# KiCad board After Huzaifa Antuley fixed DRC.kicad_pcb
title: Data General Nova 1200 CPU Diagnostic; date: 2019-05-19; rev: Rev 0; company: Forgotten Machines
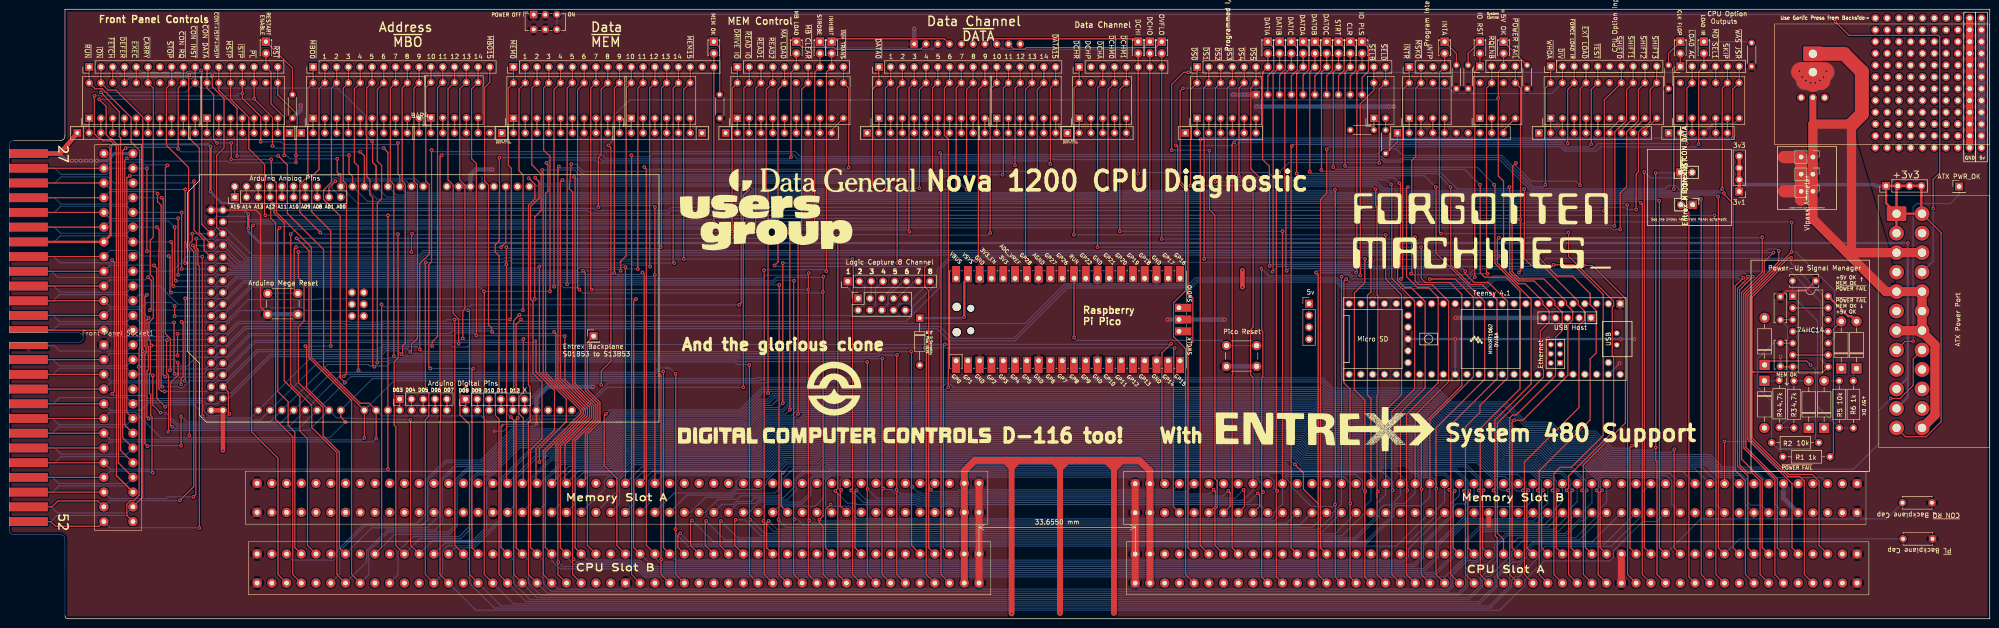
[diagram p0: board, top side]
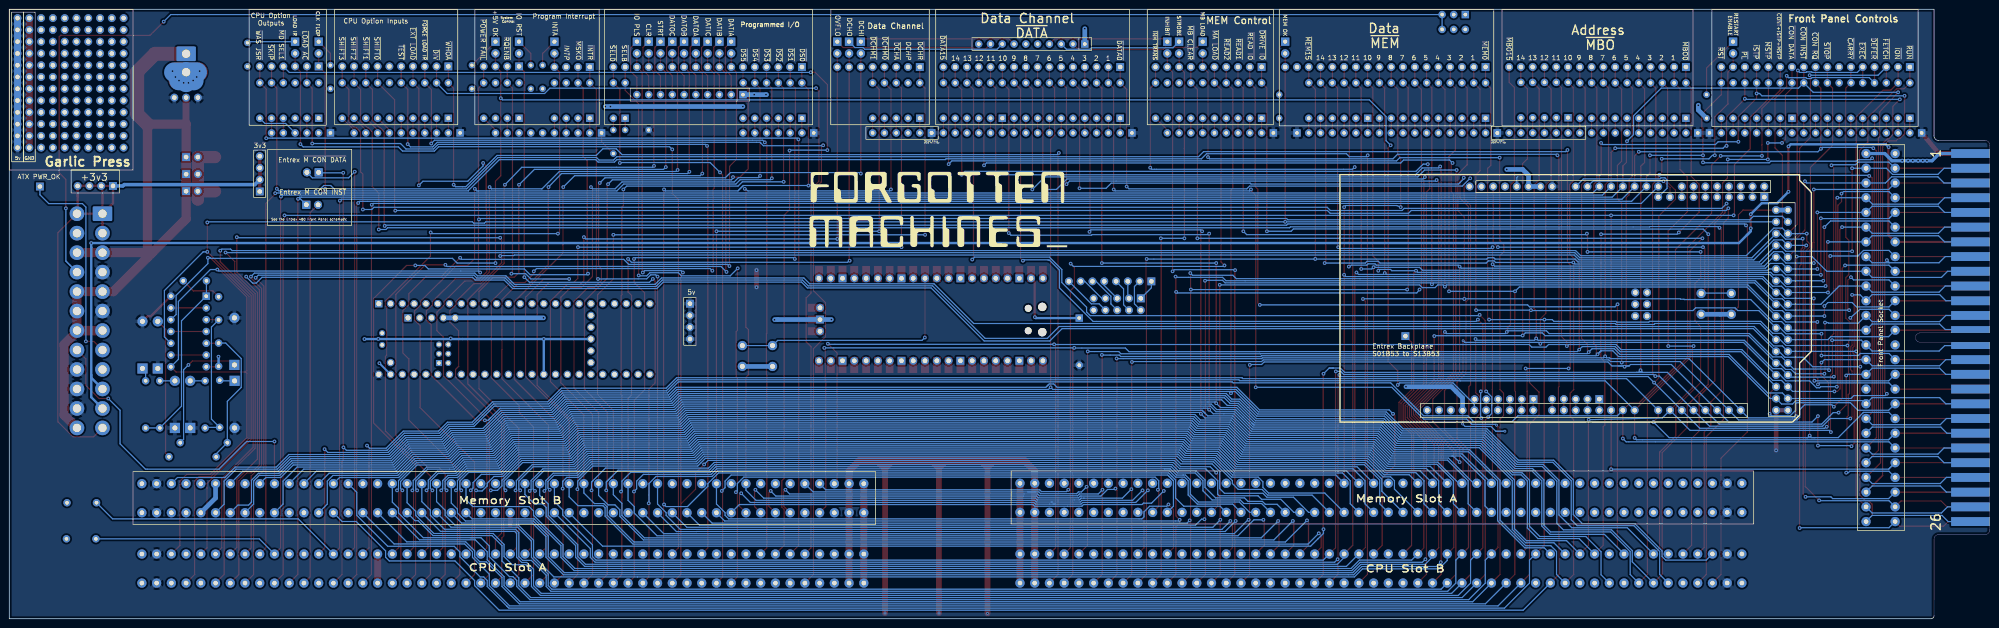
[diagram p1: board, bottom side, seen from below]

Outline 426.79 x 131.45 mm; copper layers: Top, Bottom. Coordinates in mm from the lower left corner of the outline.
Outline path: 0,102.15 0,61.65 15,61.65 arc(16,60.65) 15,59.65 0,59.65 0,19.15 arc(0.29,18.44) 1,18.15 11,18.15 arc(11.71,17.85) 12,17.15 12,0.63 arc(12.19,0.19) 12.64,0 426.79,0 426.79,131.45 12,131.45 12,104.15 arc(11.71,103.44) 11,103.15 1,103.15 arc(0.29,102.85) 0,102.15
Stack: Top 0.035mm / dielectric 1.51mm FR4 er 4.5 / Bottom 0.035mm

## Placement (name value [footprint] x y rotation side)
3v1  3v3  [PinHeader_1x04_P2.54mm_Vertical]  372.81 92.15 180 top
3v3  3v3  [PinHeader_1x04_P2.54mm_Vertical]  404.43 93.35 90 top
5vToBackBoard1  3v3  [PinHeader_1x04_P2.54mm_Vertical]  280.1 67.95 0 top
BAR1  -  [LED Bar 10]  17.21 107.95 0 top
BAR2  LED Bar 10  [LED Bar 7]  42.61 107.95 0 top
BAR3  -  [LED Bar 10]  65.47 107.95 0 top
BAR4  LED Bar 10  [LED Bar 5]  90.87 108.06 0 top
BAR5  -  [LED Bar 10]  108.65 107.95 0 top
BAR6  LED Bar 10  [LED Bar 6]  134.05 107.95 0 top
BAR7  -  [LED Bar 10]  156.91 107.95 0 top
BAR8  -  [LED Bar 10]  187.39 107.95 0 top
BAR9  LED Bar 10  [LED Bar 6]  212.79 107.95 0 top
BAR10  LED Bar 10  [LED Bar 6]  255.97 107.95 0 top
BAR11  LED Bar 10  [LED Bar 5]  230.57 107.95 0 top
BAR12  -  [LED Bar 2]  294.07 107.95 0 top
BAR13  -  [LED Bar 4]  301.69 107.95 0 top
BAR14  -  [LED Bar 4]  316.93 107.95 0 top
BAR15  -  [LED Bar 10]  332.17 107.95 0 top
BAR16  LED Bar 10  [LED Bar 6]  360.11 107.95 0 top
C1  ~{PL} Backplane Cap  [Disc Capacitor Common Entrex Trapezoid]  411.93 17.02 180 top
C2  ~{CON RQ} Backplane Cap  [Disc Capacitor Common Entrex Trapezoid]  411.8 24.8 180 top
C3  C  [C_Disc_D6.0mm_W2.5mm_P5.00mm]  381.67 59.46 270 top
C4  C  [C_Disc_D6.0mm_W2.5mm_P5.00mm]  381.67 64.44 90 top
C5  C  [C_Disc_D6.0mm_W2.5mm_P5.00mm]  384.29 72.87 0 top
D1  1N4004  [D_DO-41_SOD81_P10.16mm_Horizontal]  394.78 53.98 90 top
D2  1N4004  [D_DO-41_SOD81_P10.16mm_Horizontal]  378.27 54.74 90 top
D3  1N4004  [D_DO-41_SOD81_P10.16mm_Horizontal]  387.8 41.15 90 top
D4  1N4004  [D_DO-41_SOD81_P10.16mm_Horizontal]  378.23 51.31 270 top
D5  1N4004  [D_DO-41_SOD81_P10.16mm_Horizontal]  391.1 41.15 90 top
D6  1N4004  [D_DO-41_SOD81_P10.16mm_Horizontal]  398.08 53.98 90 top
D7  LED  [LED_D1.8mm_W3.3mm_H2.4mm]  55.31 124.46 270 top
D8  LED  [LED_D1.8mm_W3.3mm_H2.4mm]  151.83 124.46 270 top
D9  LED  [LED_D1.8mm_W3.3mm_H2.4mm]  169.61 124.46 270 top
D10  LED  [LED_D1.8mm_W3.3mm_H2.4mm]  174.69 124.46 270 top
D11  LED  [LED_D1.8mm_W3.3mm_H2.4mm]  177.23 124.46 270 top
D12  LED  [LED_D1.8mm_W3.3mm_H2.4mm]  271.21 124.46 270 top
D13  LED  [LED_D1.8mm_W3.3mm_H2.4mm]  243.27 124.46 270 top
D14  LED  [LED_D1.8mm_W3.3mm_H2.4mm]  245.81 124.46 270 top
D15  LED  [LED_D1.8mm_W3.3mm_H2.4mm]  248.35 124.46 270 top
D16  LED  [LED_D1.8mm_W3.3mm_H2.4mm]  273.75 124.46 270 top
D17  LED  [LED_D1.8mm_W3.3mm_H2.4mm]  276.29 124.46 270 top
D18  LED  [LED_D1.8mm_W3.3mm_H2.4mm]  283.91 124.46 270 top
D19  LED  [LED_D1.8mm_W3.3mm_H2.4mm]  286.45 124.46 270 top
D20  LED  [LED_D1.8mm_W3.3mm_H2.4mm]  288.99 124.46 270 top
D21  LED  [LED_D1.8mm_W3.3mm_H2.4mm]  278.83 124.46 270 top
D22  LED  [LED_D1.8mm_W3.3mm_H2.4mm]  281.37 124.46 270 top
D23  LED  [LED_D1.8mm_W3.3mm_H2.4mm]  291.53 124.46 270 top
D24  LED  [LED_D1.8mm_W3.3mm_H2.4mm]  322.01 124.46 270 top
D25  LED  [LED_D1.8mm_W3.3mm_H2.4mm]  309.31 124.46 270 top
D26  LED  [LED_D1.8mm_W3.3mm_H2.4mm]  316.93 124.46 270 top
D27  LED  [LED_D1.8mm_W3.3mm_H2.4mm]  365.19 124.46 270 top
D28  LED  [LED_D1.8mm_W3.3mm_H2.4mm]  360.11 124.46 270 top
D29  D_Schottky  [D_DO-35_SOD27_P10.16mm_Horizontal]  196.2 64.85 270 top
FPIMAGE1  MountingHole  [nova frontpanel layout]  -325.06 459.11 0 top
Front Panel Socket1  Front Panel Socket - Backside  [DG NOVA Front Pannel Connector - Backside]  23.38 61.33 0 top
J2  ~  [DG NOVA Backplane Connector - Frontside]  321.01 10.79 0 top
J3  ~  [DG NOVA Backplane Connector - Frontside]  131.78 10.8 0 top
J4  ATX Power Port  [Connector_2x12_P4.2mmx5.5mm (ATX Plug)]  406.7 87.16 90 top
J5  Front Panel Card Edge  [DG Nova Front Panel Card Edge]  2.42 60.85 0 top
J6  MBO  [PinHeader_1x16_P2.54mm_Vertical]  65.47 119 90 top
J7  MEM  [PinHeader_1x18_P2.54mm_Vertical]  108.65 119 90 top
J8  Data Channel  [PinHeader_1x16_P2.54mm_Vertical]  187.39 119 90 top
J9  Front Panel Controls  [PinHeader_1x17_P2.54mm_Vertical]  17.21 119 90 top
J10  Programmed I/O  [PinHeader_1x17_P2.54mm_Vertical]  255.97 119 90 top
J11  CPU Option Inputs  [PinHeader_1x10_P2.54mm_Vertical]  332.17 119.13 90 top
J12  Data Channel  [PinHeader_1x08_P2.54mm_Vertical]  230.57 119 90 top
J13  Program Interrupt  [PinHeader_1x04_P2.54mm_Vertical]  301.69 119 90 top
J14  System Control  [PinHeader_1x04_P2.54mm_Vertical]  316.93 119.13 90 top
J15  Slot_02x50_Odd_Even  [DG NOVA Backplane Connector - Backside]  129.97 26.12 0 top
J16  Slot_02x50_Odd_Even  [DG NOVA Backplane Connector - Backside]  319.2 26.04 0 top
J17  CPU Option Outputs  [PinHeader_1x06_P2.54mm_Vertical]  360.11 119.13 90 top
J18  MEM Control Outputs  [PinHeader_1x10_P2.54mm_Vertical]  156.91 119 90 top
J19  Logic 8 CH  [PinHeader_2x05_P2.54mm_Vertical - Backside]  182.94 69.09 90 top
J20  Logic 8 CH  [PinHeader_1x08_P2.54mm_Vertical]  180.66 72.77 90 top
J21  Arduino Anolog Pins  [PinHeader_1x10_P2.54mm_Vertical]  48.58 90.93 90 top
J22  Arduino Digital Pins  [PinHeader_1x05_P2.54mm_Vertical]  84.14 47.37 90 top
J23  Arduino Digital Pins  [PinHeader_1x06_P2.54mm_Vertical]  98.31 47.35 90 top
JP1  Vipass Ammeter  [PinHeader_1x02_P2.54mm_Vertical]  388.68 95.89 270 top
JP2  Entrex ~{M CON DATA}  [PinHeader_1x02_P2.54mm_Vertical]  360.11 96.27 90 top
JP2#2  Entrex ~{M CON DATA}  [PinHeader_1x02_P2.54mm_Vertical]  360.11 96.27 90 top
JP3  Entrex ~{M CON INST}  [PinHeader_1x02_P2.54mm_Vertical]  362.78 89.28 270 top
JP3#2  Entrex ~{M CON INST}  [PinHeader_1x02_P2.54mm_Vertical]  362.78 89.28 270 top
JP4  Vipass Ammeter  [PinHeader_1x02_P2.54mm_Vertical]  388.69 92.2 270 top
JP5  Vipass Ammeter  [PinHeader_1x02_P2.54mm_Vertical]  388.69 99.57 270 top
MES1  XK-001  [XK-001_Volt-Amp_Meter - Backside]  403.93 115.57 0 top
R1  1k  [R_Axial_DIN0207_L6.3mm_D2.5mm_P10.16mm_Horizontal]  392.37 34.93 180 top
R2  10k  [R_Axial_DIN0207_L6.3mm_D2.5mm_P10.16mm_Horizontal]  379.8 37.97 0 top
R3  4.7k  [R_Axial_DIN0207_L6.3mm_D2.5mm_P10.16mm_Horizontal]  384.58 51.31 270 top
R4  4.7k  [R_Axial_DIN0207_L6.3mm_D2.5mm_P10.16mm_Horizontal]  381.45 41.28 90 top
R5  10k  [R_Axial_DIN0207_L6.3mm_D2.5mm_P10.16mm_Horizontal]  394.36 51.31 270 top
R6  1k  [R_Axial_DIN0207_L6.3mm_D2.5mm_P10.16mm_Horizontal]  397.41 41.15 90 top
R7  R_US  [R_Axial_DIN0204_L3.6mm_D1.6mm_P5.08mm_Horizontal]  61.02 107.95 90 top
R8  R_US  [R_Axial_DIN0204_L3.6mm_D1.6mm_P5.08mm_Horizontal]  153.1 107.95 90 top
R9  R_US  [R_Axial_DIN0204_L3.6mm_D1.6mm_P5.08mm_Horizontal]  296.61 100.33 90 top
R10  R_US  [R_Axial_DIN0204_L3.6mm_D1.6mm_P5.08mm_Horizontal]  288.99 105.41 0 top
R11  R_US  [R_Axial_DIN0204_L3.6mm_D1.6mm_P5.08mm_Horizontal]  311.85 114.3 90 top
R12  R_US  [R_Axial_DIN0204_L3.6mm_D1.6mm_P5.08mm_Horizontal]  314.39 114.3 90 top
R13  R_US  [R_Axial_DIN0204_L3.6mm_D1.6mm_P5.08mm_Horizontal]  375.48 119.13 90 top
R14  R_US  [R_Axial_DIN0204_L3.6mm_D1.6mm_P5.08mm_Horizontal]  327.09 114.3 90 top
R15  R_US  [R_Axial_DIN0204_L3.6mm_D1.6mm_P5.08mm_Horizontal]  357.57 114.3 90 top
REF**  -  [Single Thru-Hole]  402.15 129.54 0 top
REF**1  -  [Single Thru-Hole]  404.69 129.54 0 top
REF**2  -  [Single Thru-Hole]  407.23 129.54 0 top
REF**3  -  [Single Thru-Hole]  409.77 129.54 0 top
REF**4  -  [Single Thru-Hole]  412.31 129.54 0 top
REF**5  -  [Single Thru-Hole]  414.85 129.54 0 top
REF**6  -  [Single Thru-Hole]  417.39 129.54 0 top
REF**7  -  [Single Thru-Hole]  419.93 129.54 0 top
REF**8  -  [Single Thru-Hole]  422.47 129.54 0 top
REF**9  -  [Single Thru-Hole]  425.01 129.54 0 top
REF**10  -  [Single Thru-Hole]  402.15 127 0 top
REF**11  -  [Single Thru-Hole]  404.69 127 0 top
REF**12  -  [Single Thru-Hole]  407.23 127 0 top
REF**13  -  [Single Thru-Hole]  409.77 127 0 top
REF**14  -  [Single Thru-Hole]  412.31 127 0 top
REF**15  -  [Single Thru-Hole]  414.85 127 0 top
REF**16  -  [Single Thru-Hole]  417.39 127 0 top
REF**17  -  [Single Thru-Hole]  419.93 127 0 top
REF**18  -  [Single Thru-Hole]  422.47 127 0 top
REF**19  -  [Single Thru-Hole]  425.01 127 0 top
REF**20  -  [Single Thru-Hole]  402.15 124.46 0 top
REF**21  -  [Single Thru-Hole]  404.69 124.46 0 top
REF**22  -  [Single Thru-Hole]  407.23 124.46 0 top
REF**23  -  [Single Thru-Hole]  409.77 124.46 0 top
REF**24  -  [Single Thru-Hole]  412.31 124.46 0 top
REF**25  -  [Single Thru-Hole]  414.85 124.46 0 top
REF**26  -  [Single Thru-Hole]  417.39 124.46 0 top
REF**27  -  [Single Thru-Hole]  419.93 124.46 0 top
REF**28  -  [Single Thru-Hole]  422.47 124.46 0 top
REF**29  -  [Single Thru-Hole]  425.01 124.46 0 top
REF**30  -  [Single Thru-Hole]  402.15 121.92 0 top
REF**31  -  [Single Thru-Hole]  404.69 121.92 0 top
REF**32  -  [Single Thru-Hole]  407.23 121.92 0 top
REF**33  -  [Single Thru-Hole]  409.77 121.92 0 top
REF**34  -  [Single Thru-Hole]  412.31 121.92 0 top
REF**35  -  [Single Thru-Hole]  414.85 121.92 0 top
REF**36  -  [Single Thru-Hole]  417.39 121.92 0 top
REF**37  -  [Single Thru-Hole]  419.93 121.92 0 top
REF**38  -  [Single Thru-Hole]  422.47 121.92 0 top
REF**39  -  [Single Thru-Hole]  425.01 121.92 0 top
REF**40  -  [Single Thru-Hole]  402.15 119.38 0 top
REF**41  -  [Single Thru-Hole]  404.69 119.38 0 top
REF**42  -  [Single Thru-Hole]  407.23 119.38 0 top
REF**43  -  [Single Thru-Hole]  409.77 119.38 0 top
REF**44  -  [Single Thru-Hole]  412.31 119.38 0 top
REF**45  -  [Single Thru-Hole]  414.85 119.38 0 top
REF**46  -  [Single Thru-Hole]  417.39 119.38 0 top
REF**47  -  [Single Thru-Hole]  419.93 119.38 0 top
REF**48  -  [Single Thru-Hole]  422.47 119.38 0 top
REF**49  -  [Single Thru-Hole]  425.01 119.38 0 top
REF**50  -  [Single Thru-Hole]  402.15 116.84 0 top
REF**51  -  [Single Thru-Hole]  404.69 116.84 0 top
REF**52  -  [Single Thru-Hole]  407.23 116.84 0 top
REF**53  -  [Single Thru-Hole]  409.77 116.84 0 top
REF**54  -  [Single Thru-Hole]  412.31 116.84 0 top
REF**55  -  [Single Thru-Hole]  414.85 116.84 0 top
REF**56  -  [Single Thru-Hole]  417.39 116.84 0 top
REF**57  -  [Single Thru-Hole]  419.93 116.84 0 top
REF**58  -  [Single Thru-Hole]  422.47 116.84 0 top
REF**59  -  [Single Thru-Hole]  425.01 116.84 0 top
REF**60  -  [Single Thru-Hole]  402.15 114.3 0 top
REF**61  -  [Single Thru-Hole]  404.69 114.3 0 top
REF**62  -  [Single Thru-Hole]  407.23 114.3 0 top
REF**63  -  [Single Thru-Hole]  409.77 114.3 0 top
REF**64  -  [Single Thru-Hole]  412.31 114.3 0 top
REF**65  -  [Single Thru-Hole]  414.85 114.3 0 top
REF**66  -  [Single Thru-Hole]  417.39 114.3 0 top
REF**67  -  [Single Thru-Hole]  419.93 114.3 0 top
REF**68  -  [Single Thru-Hole]  422.47 114.3 0 top
REF**69  -  [Single Thru-Hole]  425.01 114.3 0 top
REF**70  -  [Single Thru-Hole]  402.15 111.76 0 top
REF**71  -  [Single Thru-Hole]  404.69 111.76 0 top
REF**72  -  [Single Thru-Hole]  407.23 111.76 0 top
REF**73  -  [Single Thru-Hole]  409.77 111.76 0 top
REF**74  -  [Single Thru-Hole]  412.31 111.76 0 top
REF**75  -  [Single Thru-Hole]  414.85 111.76 0 top
REF**76  -  [Single Thru-Hole]  417.39 111.76 0 top
REF**77  -  [Single Thru-Hole]  419.93 111.76 0 top
REF**78  -  [Single Thru-Hole]  422.47 111.76 0 top
REF**79  -  [Single Thru-Hole]  425.01 111.76 0 top
REF**80  -  [Single Thru-Hole]  402.15 109.22 0 top
REF**81  -  [Single Thru-Hole]  404.69 109.22 0 top
REF**82  -  [Single Thru-Hole]  407.23 109.22 0 top
REF**83  -  [Single Thru-Hole]  409.77 109.22 0 top
REF**84  -  [Single Thru-Hole]  412.31 109.22 0 top
REF**85  -  [Single Thru-Hole]  414.85 109.22 0 top
REF**86  -  [Single Thru-Hole]  417.39 109.22 0 top
REF**87  -  [Single Thru-Hole]  419.93 109.22 0 top
REF**88  -  [Single Thru-Hole]  422.47 109.22 0 top
REF**89  -  [Single Thru-Hole]  425.01 109.22 0 top
REF**90  -  [Single Thru-Hole]  402.15 106.68 0 top
REF**91  -  [Single Thru-Hole]  404.69 106.68 0 top
REF**92  -  [Single Thru-Hole]  407.23 106.68 0 top
REF**93  -  [Single Thru-Hole]  409.77 106.68 0 top
REF**94  -  [Single Thru-Hole]  412.31 106.68 0 top
REF**95  -  [Single Thru-Hole]  414.85 106.68 0 top
REF**96  -  [Single Thru-Hole]  417.39 106.68 0 top
REF**97  -  [Single Thru-Hole]  419.93 106.68 0 top
REF**98  -  [Single Thru-Hole]  422.47 106.68 0 top
REF**99  -  [Single Thru-Hole]  425.01 106.68 0 top
REF**100  -  [Single Thru-Hole]  402.15 104.14 0 top
REF**101  -  [Single Thru-Hole]  404.69 104.14 0 top
REF**102  -  [Single Thru-Hole]  407.23 104.14 0 top
REF**103  -  [Single Thru-Hole]  409.77 104.14 0 top
REF**104  -  [Single Thru-Hole]  412.31 104.14 0 top
REF**105  -  [Single Thru-Hole]  414.85 104.14 0 top
REF**106  -  [Single Thru-Hole]  417.39 104.14 0 top
REF**107  -  [Single Thru-Hole]  419.93 104.14 0 top
REF**108  -  [Single Thru-Hole]  422.47 104.14 0 top
REF**109  -  [Single Thru-Hole]  425.01 104.14 0 top
REF**110  -  [Single Thru-Hole]  402.15 101.6 0 top
REF**111  -  [Single Thru-Hole]  404.69 101.6 0 top
REF**112  -  [Single Thru-Hole]  407.23 101.6 0 top
REF**113  -  [Single Thru-Hole]  409.77 101.6 0 top
REF**114  -  [Single Thru-Hole]  412.31 101.6 0 top
REF**115  -  [Single Thru-Hole]  414.85 101.6 0 top
REF**116  -  [Single Thru-Hole]  417.39 101.6 0 top
REF**117  -  [Single Thru-Hole]  419.93 101.6 0 top
REF**118  -  [Single Thru-Hole]  422.47 101.6 0 top
REF**119  -  [Single Thru-Hole]  425.01 101.6 0 top
RN1  R_Network09_US  [R_Array_SIP10]  14.67 104.78 0 top
RN2  R_Network08_US  [R_Array_SIP9]  60.39 104.78 180 top
RN3  R_Network09_US  [R_Array_SIP10]  62.93 104.78 0 top
RN4  R_Network07_US  [R_Array_SIP8]  106.11 104.78 180 top
RN5  R_Network09_US  [R_Array_SIP10]  106.11 104.78 0 top
RN6  R_Network07_US  [R_Array_SIP8]  149.29 104.78 180 top
RN7  R_Network09_US  [R_Array_SIP10]  154.37 104.78 0 top
RN8  R_Network09_US  [R_Array_SIP10]  184.85 104.78 0 top
RN9  R_Network07_US  [R_Array_SIP8]  228.03 104.78 180 top
RN10  R_Network05_US  [R_Array_SIP6]  228.03 104.78 0 top
RN11  R_Network09_US  [R_Array_SIP10]  195.01 123.95 0 bottom
RN12  R_Network06_US  [R_Array_SIP7]  253.43 104.78 0 top
RN13  R_Network09_US  [R_Array_SIP10]  299.15 104.78 0 top
RN14  R_Network09_US  [R_Array_SIP10]  268.67 113.03 0 bottom
RN15  R_Network09_US  [R_Array_SIP10]  329.63 104.78 0 top
RN16  R_Network05_US  [R_Array_SIP6]  357.57 104.78 0 top
SW1  Arduino Mega Reset  [SW_PUSH_6mm]  62.19 65.67 180 top
SW2  Power Swtich  [SW_E-Switch_EG1271_SPDT]  113.01 130.3 0 top
SW3  Pico Reset  [SW_PUSH_6mm]  268.81 54.42 180 top
Teensy 4.1  Teensy4.1  [Teensy41]  317.95 60.33 180 top
TP1  Entrex Backplane S01B53 to S13B53  [PinHeader_1x01_P2.54mm_Vertical]  125.92 60.96 0 top
TP2  ATX PWR_OK  [PinHeader_1x01_P2.54mm_Vertical]  420.18 93.22 0 top
U1  74HC14  [DIP-14_W7.62mm]  384.34 69.57 0 top
U2  Pico  [RPi_Pico_SMD_TH]  228.17 64.53 90 top
XA1  -  [Arduino_Mega2560_Shield]  140.02 95.76 180 top

## Library data of the parts
3v1 3v3 5vToBackBoard1 J13 J14 = -: Description: Generic connector, single row, 01x04, script generated (kicad-library-utils/schlib/autogen/connector/)
C1 C2 = -: Description: Capacitor Common Entrex Trapezoid
C3-C5 = -: Description: Unpolarized capacitor
D1-D6 = -: Description: 400V 1A General Purpose Rectifier Diode, DO-41
D7-D28 = -: Description: Light emitting diode
D29 = -: Description: Schottky diode
J2 J3 = -: Description: Generic connector, double row, 02x40, odd/even pin numbering scheme (row 1 odd numbers, row 2 even numbers), script generated (kicad-library-utils/schlib/autogen/connector/)
J4 = -: Description: ATX Power supply 24pins
J6 J8 = -: Description: Generic connector, single row, 01x16, script generated (kicad-library-utils/schlib/autogen/connector/)
J7 = -: Description: Generic connector, single row, 01x18, script generated (kicad-library-utils/schlib/autogen/connector/)
J9 J10 = -: Description: Generic connector, single row, 01x17, script generated (kicad-library-utils/schlib/autogen/connector/)
J11 J18 J21 = -: Description: Generic connector, single row, 01x10, script generated (kicad-library-utils/schlib/autogen/connector/)
J12 J20 = -: Description: Generic connector, single row, 01x08, script generated (kicad-library-utils/schlib/autogen/connector/)
J17 J23 = -: Description: Generic connector, single row, 01x06, script generated (kicad-library-utils/schlib/autogen/connector/)
J19 = -: Description: Generic connector, double row, 02x05, odd/even pin numbering scheme (row 1 odd numbers, row 2 even numbers), script generated (kicad-library-utils/schlib/autogen/connector/)
J22 = -: Description: Generic connector, single row, 01x05, script generated (kicad-library-utils/schlib/autogen/connector/)
JP1 JP2 JP2#2 JP3 JP3#2 JP4 JP5 = -: Description: Jumper, 2-pole, open
MES1 = -: Description: DC volt & amp meter
R1-R6 = -: Description: Resistor
R7-R15 = -: Description: Resistor, US symbol
RN1 RN3 RN5 RN7 RN8 RN11 RN13-RN15 = -: Description: 9 resistor network, star topology, bussed resistors, small US symbol
RN2 = -: Description: 8 resistor network, star topology, bussed resistors, small US symbol
RN4 RN6 RN9 = -: Description: 7 resistor network, star topology, bussed resistors, small US symbol
RN10 RN16 = -: Description: 5 resistor network, star topology, bussed resistors, small US symbol
RN12 = -: Description: 6 resistor network, star topology, bussed resistors, small US symbol
SW1 SW3 = -: Description: Push button switch, generic, two pins
SW2 = -: Description: Momentary Switch, dual pole double throw
TP1 TP2 = -: Description: test point
U1 = -: Description: Hex inverter schmitt trigger
XA1 = -: Description: Shield for Arduino Mega 2560

## Footprints (pads in the part's own frame, mm; a bottom-side part is the same pattern mirrored in y, then rotated)
Arduino_Mega2560_Shield
  oval 1.727x1.727 hole 1.016: (27.94,2.54) 3V3(35.56,2.54) 5V1(38.1,2.54) 5V2(66.167,30.48) 5V3(93.98,50.8) 5V4(96.52,50.8) A0(50.8,2.54) A1(53.34,2.54) A2(55.88,2.54) A3(58.42,2.54) A4(60.96,2.54) A5(63.5,2.54) A6(66.04,2.54) A7(68.58,2.54) A8(73.66,2.54) A9(76.2,2.54) A10(78.74,2.54) A11(81.28,2.54) A12(83.82,2.54) A13(86.36,2.54) A14(88.9,2.54) A15(91.44,2.54) AREF(23.876,50.8) D0(63.5,50.8) D1(60.96,50.8) D2(58.42,50.8) D3(55.88,50.8) D4(53.34,50.8) D5(50.8,50.8) D6(48.26,50.8) D7(45.72,50.8) D8(41.656,50.8) D9(39.116,50.8) D10(36.576,50.8) D11(34.036,50.8) D12(31.496,50.8) D13(28.956,50.8) D14(68.58,50.8) D15(71.12,50.8) D16(73.66,50.8) D17(76.2,50.8) D18(78.74,50.8) D19(81.28,50.8) D20(83.82,50.8) D21(86.36,50.8) D22(93.98,48.26) D23(96.52,48.26) D24(93.98,45.72) D25(96.52,45.72) D26(93.98,43.18) D27(96.52,43.18) D28(93.98,40.64) D29(96.52,40.64) D30(93.98,38.1) D31(96.52,38.1) D32(93.98,35.56) D33(96.52,35.56) D34(93.98,33.02) D35(96.52,33.02) D36(93.98,30.48) D37(96.52,30.48) D38(93.98,27.94) D39(96.52,27.94) D40(93.98,25.4) D41(96.52,25.4) D42(93.98,22.86) D43(96.52,22.86) D44(93.98,20.32) D45(96.52,20.32) D46(93.98,17.78) D47(96.52,17.78) D48(93.98,15.24) D49(96.52,15.24) D50(93.98,12.7) D51(96.52,12.7) D52(93.98,10.16) D53(96.52,10.16) GND1(26.416,50.8) GND2(40.64,2.54) GND3(43.18,2.54) GND4(66.167,25.4) GND5(93.98,7.62) GND6(96.52,7.62) IORF(30.48,2.54) MISO(63.627,30.48) MOSI(66.167,27.94) RST1(33.02,2.54) RST2(63.627,25.4) SCK(63.627,27.94) SCL(18.796,50.8) SDA(21.336,50.8) VIN(45.72,2.54)
C_Disc_D6.0mm_W2.5mm_P5.00mm
  round 1.6 hole 0.8: 1(0,0) 2(5,0)
Connector_2x12_P4.2mmx5.5mm (ATX Plug)
  rrect 3.16x4.2 hole 1.8: 1(0.2,0)
  round 3.16 hole 1.8: 2(-4,0) 3(-8.2,0) 4(-12.4,0) 5(-16.6,0) 6(-20.8,0) 7(-25,0) 8(-29.2,0) 9(-33.4,0) 10(-37.6,0) 11(-41.8,0) 12(-46,0) 13(0.2,-5.5) 14(-4,-5.5) 15(-8.2,-5.5) 16(-12.4,-5.5) 17(-16.6,-5.5) 18(-20.8,-5.5) 19(-25,-5.5) 20(-29.2,-5.5) 21(-33.4,-5.5) 22(-37.6,-5.5) 23(-41.8,-5.5) 24(-46,-5.5)
D_DO-35_SOD27_P10.16mm_Horizontal
  rect 1.6x1.6 hole 0.8: 1(0,0)
  oval 1.6x1.6 hole 0.8: 2(10.16,0)
D_DO-41_SOD81_P10.16mm_Horizontal
  rect 2.2x2.2 hole 1.1: 1(0,0)
  oval 2.2x2.2 hole 1.1: 2(10.16,0)
DG NOVA Backplane Connector - Backside
  round 2 hole 1: 1(-76.565,3.095) 2(-76.565,-3.175) 3(-73.39,3.095) 4(-73.39,-3.175) 5(-70.215,3.095) 6(-70.215,-3.175) 7(-67.04,3.095) 8(-67.04,-3.175) 9(-63.865,3.095) 10(-63.865,-3.175) 11(-60.69,3.095) 12(-60.69,-3.175) 13(-57.515,3.095) 14(-57.515,-3.175) 15(-54.34,3.095) 16(-54.34,-3.175) 17(-51.165,3.095) 18(-51.165,-3.175) 19(-47.99,3.095) 20(-47.99,-3.175) 21(-44.815,3.095) 22(-44.815,-3.175) 23(-41.64,3.095) 24(-41.64,-3.175) 25(-38.465,3.095) 26(-38.465,-3.175) 27(-35.29,3.095) 28(-35.29,-3.175) 29(-32.115,3.095) 30(-32.115,-3.175) 31(-28.94,3.095) 32(-28.94,-3.175) 33(-25.765,3.095) 34(-25.765,-3.175) 35(-22.59,3.095) 36(-22.59,-3.175) 37(-19.415,3.095) 38(-19.415,-3.175) 39(-16.24,3.095) 40(-16.24,-3.175) 41(-13.065,3.095) 42(-13.065,-3.175) 43(-9.89,3.095) 44(-9.89,-3.175) 45(-6.715,3.095) 46(-6.715,-3.175) 47(-3.54,3.095) 48(-3.54,-3.175) 49(-0.365,3.095) 50(-0.365,-3.175) 51(2.81,3.095) 52(2.81,-3.175) 53(5.985,3.095) 54(5.985,-3.175) 55(9.16,3.095) 56(9.16,-3.175) 57(12.335,3.095) 58(12.335,-3.175) 59(15.51,3.095) 60(15.51,-3.175) 61(18.685,3.095) 62(18.685,-3.175) 63(21.86,3.095) 64(21.86,-3.175) 65(25.035,3.095) 66(25.035,-3.175) 67(28.21,3.095) 68(28.21,-3.175) 69(31.385,3.095) 70(31.385,-3.175) 71(34.56,3.095) 72(34.56,-3.175) 73(37.735,3.095) 74(37.735,-3.175) 75(40.91,3.095) 76(40.91,-3.175) 77(44.085,3.095) 78(44.085,-3.175) 79(47.26,3.095) 80(47.26,-3.175) 81(50.435,3.095) 82(50.435,-3.175) 83(53.61,3.095) 84(53.61,-3.175) 85(56.785,3.095) 86(56.785,-3.175) 87(59.96,3.095) 88(59.96,-3.175) 89(63.135,3.095) 90(63.135,-3.175) 91(66.31,3.095) 92(66.31,-3.175) 93(69.485,3.095) 94(69.485,-3.175) 95(72.66,3.095) 96(72.66,-3.175) 97(75.835,3.095) 98(75.835,-3.175) 99(79.01,3.095) 100(79.01,-3.175)
DG NOVA Backplane Connector - Frontside
  round 2 hole 1: 1(77.2,3.175) 2(77.2,-3.095) 3(74.025,3.175) 4(74.025,-3.095) 5(70.85,3.175) 6(70.85,-3.095) 7(67.675,3.175) 8(67.675,-3.095) 9(64.5,3.175) 10(64.5,-3.095) 11(61.325,3.175) 12(61.325,-3.095) 13(58.15,3.175) 14(58.15,-3.095) 15(54.975,3.175) 16(54.975,-3.095) 17(51.8,3.175) 18(51.8,-3.095) 19(48.625,3.175) 20(48.625,-3.095) 21(45.45,3.175) 22(45.45,-3.095) 23(42.275,3.175) 24(42.275,-3.095) 25(39.1,3.175) 26(39.1,-3.095) 27(35.925,3.175) 28(35.925,-3.095) 29(32.75,3.175) 30(32.75,-3.095) 31(29.575,3.175) 32(29.575,-3.095) 33(26.4,3.175) 34(26.4,-3.095) 35(23.225,3.175) 36(23.225,-3.095) 37(20.05,3.175) 38(20.05,-3.095) 39(16.875,3.175) 40(16.875,-3.095) 41(13.7,3.175) 42(13.7,-3.095) 43(10.525,3.175) 44(10.525,-3.095) 45(7.35,3.175) 46(7.35,-3.095) 47(4.175,3.175) 48(4.175,-3.095) 49(1,3.175) 50(1,-3.095) 51(-2.175,3.175) 52(-2.175,-3.095) 53(-5.35,3.175) 54(-5.35,-3.095) 55(-8.525,3.175) 56(-8.525,-3.095) 57(-11.7,3.175) 58(-11.7,-3.095) 59(-14.875,3.175) 60(-14.875,-3.095) 61(-18.05,3.175) 62(-18.05,-3.095) 63(-21.225,3.175) 64(-21.225,-3.095) 65(-24.4,3.175) 66(-24.4,-3.095) 67(-27.575,3.175) 68(-27.575,-3.095) 69(-30.75,3.175) 70(-30.75,-3.095) 71(-33.925,3.175) 72(-33.925,-3.095) 73(-37.1,3.175) 74(-37.1,-3.095) 75(-40.275,3.175) 76(-40.275,-3.095) 77(-43.45,3.175) 78(-43.45,-3.095) 79(-46.625,3.175) 80(-46.625,-3.095) 81(-49.8,3.175) 82(-49.8,-3.095) 83(-52.975,3.175) 84(-52.975,-3.095) 85(-56.15,3.175) 86(-56.15,-3.095) 87(-59.325,3.175) 88(-59.325,-3.095) 89(-62.5,3.175) 90(-62.5,-3.095) 91(-65.675,3.175) 92(-65.675,-3.095) 93(-68.85,3.175) 94(-68.85,-3.095) 95(-72.025,3.175) 96(-72.025,-3.095) 97(-75.2,3.175) 98(-75.2,-3.095) 99(-78.375,3.175) 100(-78.375,-3.095)